# KiCad board pandakbd_panel.kicad_pcb (continued)
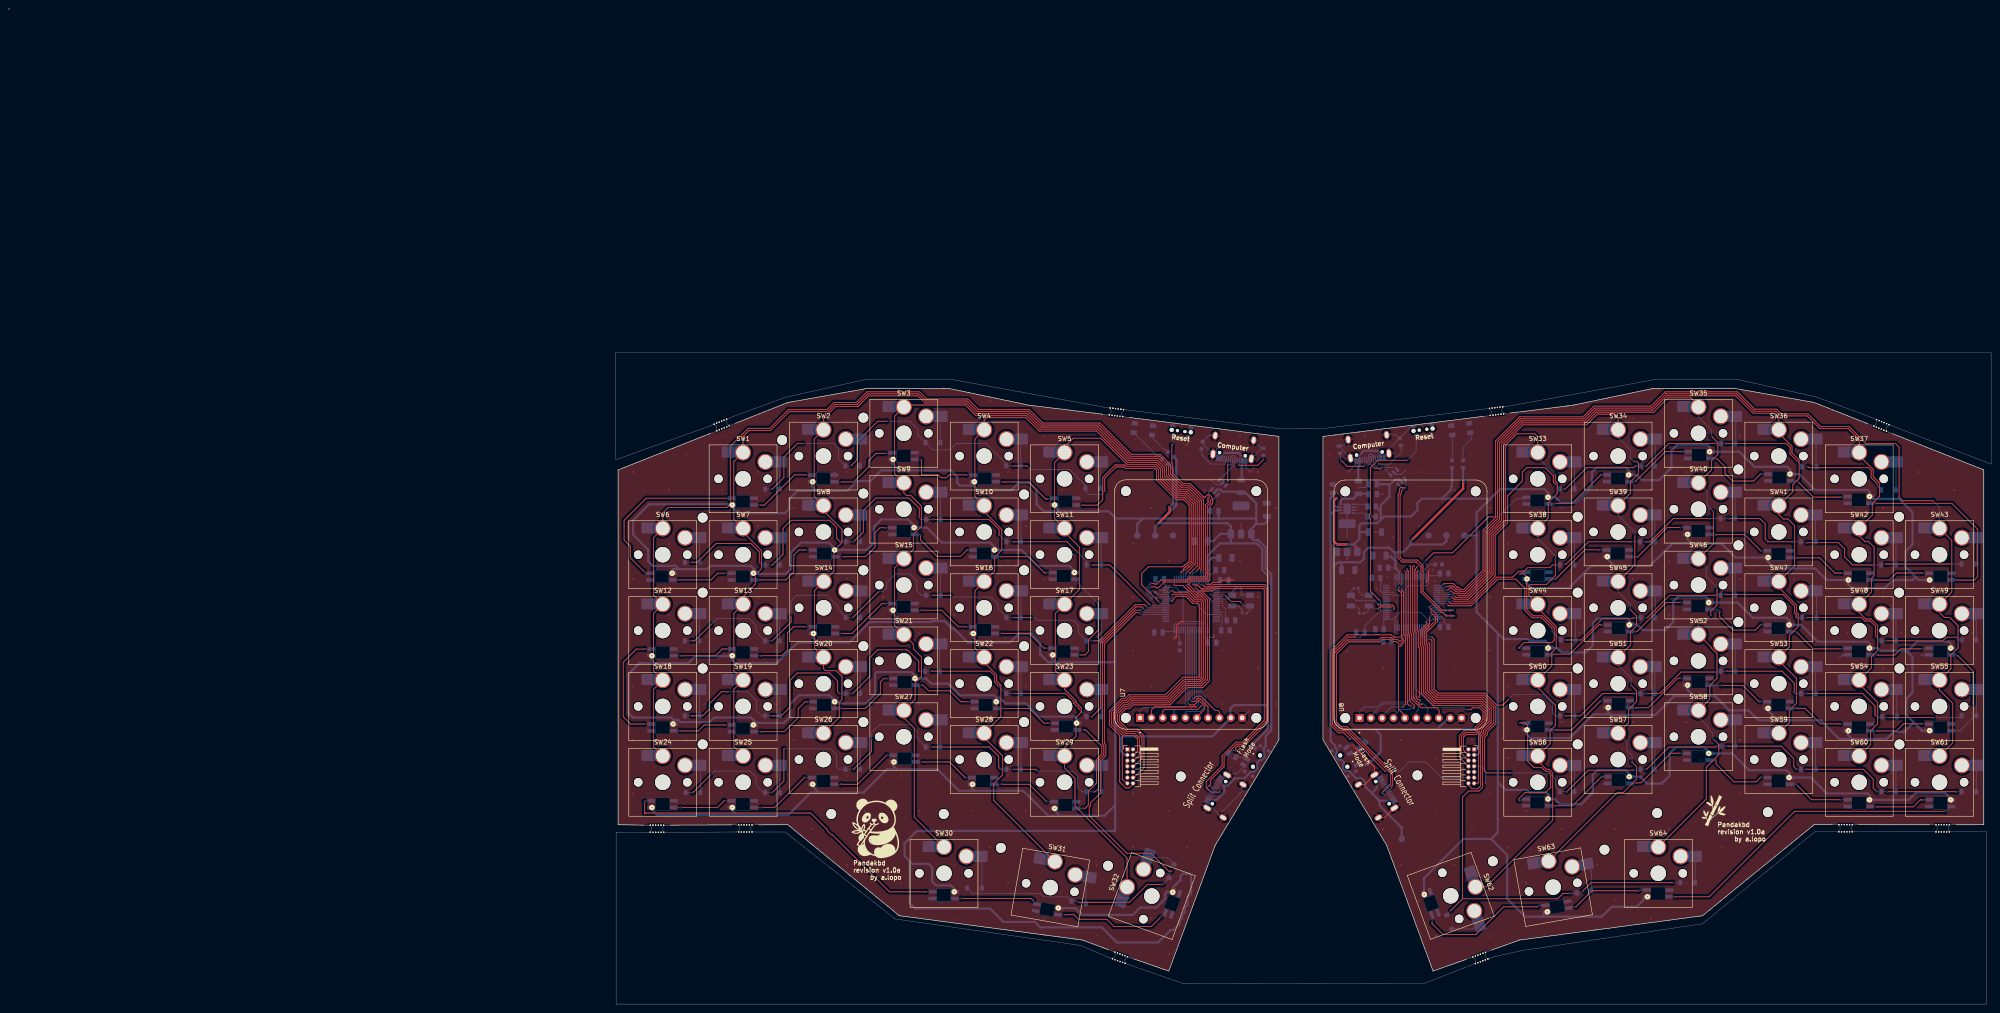
[diagram p0: board, top side]
## Routing (per net, layer and track width the routed paths; a pad name or vN(x,y) marks a point on that pad's centre or on a via; arc(x,y) is an arc through that point) (continued)
/VBUSa: length 9.4
  Bottom w0.2: 135.61,122.61 136.36,123.5 ; 140.36,122.25 140.11,123
  Bottom w0.5: 140.26,120.82 140.26,117.55 D2.2 ; 140.11,123 139.61,123.5 136.36,123.5
/VBUSb: length 10.8
  Bottom w0.3: 166.51,122.39 166.86,123.25
  Bottom w0.4: 166.67,121.49 166.67,120.75 ; 171.38,123.01 170.79,123.99
  Bottom w0.5: 166.63,120.75 166.37,120.49 166.36,120.49 D1.2 ; 170.79,123.99 167.6,123.99 166.86,123.25
GND: length 193.3
  Top w0.2: USBC4.3 172.3,41.78 USBC4.4 ; v1(138.36,95) 135.86,95 135.31,94.45 133.71,94.45 133.32,94.06 v1(132.17,94.06) ; v1(181.5,94.51) 182.11,95.13 v1(182.11,97.25) ; v1(125.11,81.75) 125.61,82.25 125.61,84.75 126.61,85.75 v1(127.66,85.75) ; 133.96,82.25 133.91,82.2 ; USBC4.2 167.84,49.2 USBC4.1 169.99,53.12 v1(165.11,58) ; J2.5 J2.7
  Bottom w0.2: USBC1.4 134.71,122.36 USBC1.A1B12 ; USBC1.4 131.51,125.56 R1.1 132.84,127.4 USBC1.3 ; USBC1.4 133.95,123.25 USBC1.A1B12 ; U3.31 125.67,82.76 125.11,82.2 v1(125.11,81.75) ; U4.12 173.83,91.78 v1(174.11,91.5) ; USBC4.4 174.52,44 USBC4.A1B12 ; U3.12 135.7,87.79 135.71,87.8 v1(135.76,87.8) ; v1(133.36,117.5) 134.42,116.44 135.59,116.44 U5.2 ; v1(176.86,119.5) 176.08,118.72 174.73,118.72 U10.2 ; R8.1 178.23,129.4 U11.4 ; R8.1 174.9,127.56 USBC2.2 ; R8.1 173.22,124.39 USBC2.1 172.33,122.51 USBC2.B1A12 ; U3.47 121.93,92.79 v1(121.88,92.74) 121.86,92.72 121.84,92.72 ; U4.18 175.05,94.68 v1(174.61,94.25) ; v1(181.5,94.51) 181.5,94.64 181.55,94.68 U4.31 ; v1(166.03,110.65) 166.01,110.67 U6.3 164.44,110.67 164.36,110.75 ; 136.78,51.36 136.2,50.78 135.55,50.78 ; USBC1.2 144.69,124.57 R7.1 144.79,124.57 USBC1.1 141.8,121.58 USBC1.B1A12 141.2,120.17 v1(142.11,119.25) 143.11,120.25 ; v1(292.51,78.2) 292.58,78.27 294.21,78.27 ; LED48.3 274.88,78.27 v1(274.11,77.5) ; 137.61,95.5 137.61,95.3 C7.2 v1(138.36,95) ; v1(166.02,111.33) 166.01,111.33 U6.2 164.44,111.33 164.36,111.25 ; v1(127.86,125.25) 128.24,125.62 U9.2 ; v1(194.85,49.51) 194.86,49.52 194.86,52.25 193.82,53.29 J1.7 J1.5 ; 166.48,93.2 166.48,92.43 v1(166.91,92) 167.31,91.6 Y2.4 ; R9.1 162.68,125.06 ; 162.68,125.06 162.68,124.3 USBC2.4 165.24,121.73 USBC2.A1B12 165.84,120.97 v1(164.11,119.25) 164.62,119.76 ; 162.68,125.06 USBC2.3 ; U2.2 v1(163.86,99.75) ; 137.28,51.65 139.15,51.65 140.65,53.15 ; C24.2 167.91,115.75 v1(166.36,115.75) ; U4.63 175.05,85.43 175.1,85.48 v1(175.1,85.56) ; U4.47 185.1,86.78 185.61,86.27 185.61,85.45 C17.1 ; U7.10 141.81,65.6 v1(141.91,65.6) ; USBC1.A1B12 134.57,122.63 134.57,124.21 v1(135.86,125.5) ; USBC4.B1A12 170.57,50.78 USBC4.1 ; v1(165.11,58) 164.21,58 SW66.3 ; v1(170.11,105.75) C3.2 ; 132.25,45.29 132.25,44 132.32,43.93 133.75,43.93 135.9,41.78 135.9,43.19 v1(139.91,47.2) 140.36,47.65 140.36,49.25 ; Y2.2 165.91,89.2 v1(166.31,88.8) 166.55,88.57 166.55,87.6 ; v1(140.11,107.5) U1.2 ; v1(132.17,94.06) U3.63 ; 134.11,82.5 v1(134.11,82.75) 134.11,82.4 133.91,82.2 132.43,82.2 132.17,82.46 U3.18 132.17,85.19 131.61,85.75 v1(127.66,85.75) ; U6.5 163.85,110.01 163.86,110 v1(163.86,109.25) U2.2 v1(163.86,105) ; R5.2 169.36,109.25 v1(169.41,109.25) ; C26.1 v1(171.86,114.25) ; v1(182.11,97.25) 182.11,97.2
  Bottom w0.25: 140.35,87.6 140.35,88.33 v1(140.08,88.6) 139.48,89.2 Y1.4 ; Y1.2 142.08,91.64 140.35,91.64 v1(140.31,91.6) 140.18,91.73 140.18,93.1 140.08,93.2
  Bottom w0.5: 103.37,113.2 103.22,113.35 ; 13.07,79.6 13.02,79.55 ; 67.07,123.6 67.02,123.55 ; 31.19,79.4 31.02,79.57 ; 49.02,119.1 49.02,118.55
  vias: v1(3.91,119.2) v1(3.91,95.2) v1(3.91,71.2) v1(3.91,59.2) v1(3.91,47.2) v1(11.91,115.2) v1(11.91,103.2) v1(11.91,87.2) v1(11.91,75.2) v1(15.91,123.2) v1(15.91,59.2) v1(19.91,79.2) v1(19.91,67.2) v1(23.91,127.2) v1(23.91,115.2) v1(23.91,95.2) v1(23.91,47.2) v1(27.91,75.2) v1(27.91,59.2) v1(31.91,119.2) v1(31.91,107.2) v1(31.91,91.2) v1(35.91,79.2) v1(35.91,67.2) v1(35.91,51.2) v1(39.91,131.2) v1(39.91,111.2) v1(39.91,59.2) v1(43.91,75.2) v1(43.91,39.2) v1(51.91,131.2) v1(51.91,119.2) v1(51.91,95.2) v1(51.91,79.2) v1(51.91,63.2) v1(51.91,51.2) v1(51.91,31.2) v1(55.91,43.2) v1(59.91,103.2) v1(59.91,91.2) v1(59.91,35.2) v1(63.91,51.2) v1(63.91,27.2) v1(67.91,83.2) v1(67.91,67.2) v1(67.91,43.2) v1(71.91,127.2) v1(71.91,111.2) v1(71.91,95.2) v1(71.91,59.2) v1(75.91,87.2) v1(75.91,51.2) v1(75.91,31.2) v1(75.91,19.2) v1(79.91,107.2) v1(79.91,71.2) v1(79.91,43.2) v1(83.91,135.2) v1(83.91,35.2) v1(87.91,119.2) v1(87.91,99.2) v1(87.91,79.2) v1(87.91,63.2) v1(87.91,51.2) v1(87.91,27.2) v1(91.91,107.2) v1(91.91,71.2) v1(91.91,43.2) v1(95.91,127.2) v1(95.91,95.2) v1(95.91,59.2) v1(95.91,19.2) v1(99.91,115.2) v1(99.91,75.2) v1(99.91,47.2) v1(99.91,35.2) v1(103.91,131.2) v1(103.91,107.2) v1(103.91,91.2) v1(107.91,43.2) v1(107.91,31.2) v1(107.91,15.2) v1(111.91,115.2) v1(115.91,103.2) v1(115.91,91.2) v1(115.91,79.2) v1(115.91,47.2) v1(115.91,35.2) v1(116.68,126.57) v1(119.91,111.2) v1(119.91,71.2) v1(119.91,55.2) v1(119.91,19.2) v1(123.91,99.2) v1(123.91,43.2) v1(123.91,11.2) v1(127.91,123.2) v1(127.91,51.2) v1(127.91,35.2) v1(131.91,115.2) v1(135.91,79.2) v1(135.91,67.2) v1(135.91,43.2) v1(139.91,127.2) v1(139.91,99.2) v1(143.91,119.2) v1(143.91,91.2) v1(143.91,75.2) v1(147.91,111.2) v1(147.91,83.2) v1(147.91,67.2) v1(159.91,123.2) v1(163.91,95.2) v1(163.91,79.2) v1(163.91,67.2) v1(167.91,127.2) v1(167.91,103.2) v1(170.61,93) v1(171.91,75.2) v1(171.91,39.2) v1(172.86,95.75) v1(174.11,104.75) v1(175.11,90) v1(175.91,59.2) v1(175.91,47.2) v1(175.91,31.2) v1(179.91,119.2) v1(179.91,107.2) v1(179.91,23.2) v1(183.11,97.25) v1(183.61,94.75) v1(183.91,127.2) v1(183.91,55.2) v1(183.91,43.2) v1(183.91,15.2) v1(187.91,115.2) v1(187.91,103.2) v1(187.91,75.2) v1(187.91,31.2) v1(191.91,123.2) v1(191.91,59.2) v1(191.91,39.2) v1(195.91,111.2) v1(195.91,91.2) v1(195.91,79.2) v1(195.91,47.2) v1(195.91,15.2) v1(199.91,103.2) v1(199.91,71.2) v1(199.91,55.2) v1(199.91,35.2) v1(203.91,83.2) v1(203.91,43.2) v1(203.91,27.2) v1(207.91,127.2) v1(211.91,111.2) v1(211.91,91.2) v1(211.91,75.2) v1(211.91,63.2) v1(211.91,39.2) v1(215.91,83.2) v1(219.91,115.2) v1(219.91,99.2) v1(219.91,47.2) v1(219.91,31.2) v1(223.91,39.2) v1(223.91,23.2) v1(227.91,131.2) v1(227.91,95.2) v1(227.91,79.2) v1(227.91,63.2) v1(231.91,115.2) v1(231.91,71.2) v1(231.91,47.2) v1(231.91,19.2) v1(235.91,99.2) v1(235.91,87.2) v1(235.91,39.2) v1(239.91,131.2) v1(239.91,119.2) v1(239.91,79.2) v1(239.91,63.2) v1(239.91,51.2) v1(239.91,27.2) v1(243.91,43.2) v1(247.91,135.2) v1(247.91,107.2) v1(247.91,35.2) v1(251.91,127.2) v1(251.91,95.2) v1(251.91,59.2) v1(251.91,47.2) v1(255.91,115.2) v1(255.91,39.2) v1(263.91,95.2) v1(263.91,79.2) v1(263.91,47.2) v1(267.91,123.2) v1(267.91,107.2) v1(267.91,71.2) v1(267.91,55.2) v1(271.91,91.2) v1(275.91,127.2) v1(275.91,103.2) v1(275.91,83.2) v1(275.91,67.2) v1(275.91,51.2) v1(283.91,111.2) v1(283.91,91.2) v1(283.91,75.2) v1(287.91,83.2) v1(287.91,67.2) v1(287.91,51.2) v1(291.91,119.2) v1(291.91,103.2) v1(291.91,59.2) v1(295.91,75.2) v1(299.91,115.2) v1(299.91,91.2) v1(299.91,51.2) v1(303.91,83.2) v1(303.91,59.2) v1(303.91,43.2)
VBUS MASTER HALF: length 94.7
  Bottom w0.2: 171.11,49.75 170.36,48.67 ; 173.61,45.75 172.83,45.56
  Bottom w0.4: 162.41,110.66 161.61,110.59
  Bottom w0.5: 160.16,110 160.11,110.05 160.11,113.25 160.18,113.31 160.18,113.34 160.61,113.78 C27.2 ; 160.16,110 160.66,110 161.26,110.59 161.61,110.59 ; 160.16,110 160.16,58.95 161.17,57.95 161.17,57.52 161.61,57.07 161.61,56.36 161.38,56.12 161.38,55.34 161.93,54.78 162.59,54.78 163.11,54.25 163.11,53.73 162.97,53.58 162.97,52.79 163.52,52.23 164.26,52.23 165.96,50.54 167.15,50.54 167.91,49.77 167.91,48.75 169.39,47.28 ; 169.39,47.28 170.53,48.41 170.53,48.73 ; 169.39,47.28 170.89,45.78 ; 170.89,45.78 171.11,45.56 172.7,45.56 ; 170.89,45.78 171.15,45.51 171.15,44.46 176.11,39.5 MASTER VBUS.1
VBUS USB: length 7.5
  Bottom w0.5: 168.56,114.35 D1.1 165.26,113.25 162.86,113.25 162.46,112.85 162.46,112.02
(no net):
  vias: v1(-135.89,223)
/STM MCUs/BOOT0a: length 59.5
  Top w0.2: v1(131.43,94) 131.95,93.48 132.81,93.48 132.81,93.47 133.37,93.47 133.9,94 145.51,94 146.22,93.3 146.22,63.23 140.79,57.8 139.31,57.8 138.91,57.4 v1(138.91,56.8)
  Bottom w0.2: v1(131.43,94) 130.99,94 130.74,94.24 130.74,94.25 130.67,94.32 U3.60 ; v1(138.91,56.8) 137.92,56.8 R3.1
/STM MCUs/BOOT0b: length 46
  Top w0.2: v1(164.51,59.4) 163.11,60.8 161.91,60.8 160.11,62.6 160.11,79 163.86,82.75 170.33,82.75 170.39,82.8 170.84,82.8 170.89,82.75 173.76,82.75 174.31,82.2 v1(175.61,82.2)
  Bottom w0.2: R4.1 167.11,59.54 164.65,59.54 v1(164.51,59.4) ; U4.60 176.55,82.83 175.91,82.2 v1(175.61,82.2)
/STM MCUs/OSC INa: length 10.6
  Top w0.2: v1(136.75,91.42) 136.75,91.35 136.84,91.26 136.85,91.26 137.91,90.2 139.91,90.2 v1(140.11,90)
  Bottom w0.2: Y1.3 140.91,89.2 v1(140.11,90) ; U3.5 135.63,91.29 135.98,91.64 136.52,91.64 v1(136.75,91.42)
  Bottom w0.25: Y1.3 142.11,88.23 141.48,87.6
/STM MCUs/OSC OUTa: length 5.8
  Bottom w0.2: U3.6 137.3,90.79 Y1.1
  Bottom w0.25: 138.95,93.2 138.11,92.37 Y1.1
/STM MCUs/SW_BOOT0a: length 2.7
  Bottom w0.2: R3.2 141.05,55.29 SW69.2
/STM MCUs/SW_BOOT0b: length 3
  Bottom w0.2: SW66.2 166.03,56.17 166.78,56.92 R4.2
COL0a: length 228.6
  Top w0.2: SW24.1 8.5,57.68 8.5,70.52 SW18.1 8.5,74.68 8.5,87.52 SW12.1 8.5,91.68 8.5,104.52 SW6.1 10.57,110.06 11.79,111.27 24.99,111.27 25.71,112 25.71,125 29.71,129 34.51,129 38.71,133.2 47.31,133.2 48.91,134.8 53.91,134.8 56.31,137.2 68.11,137.2 69.71,135.6 78.91,135.6 81.31,133.2 92.7,133.2 95.7,130.2 108.51,130.2 115.51,123.2 121.99,123.2 124.31,120.88 124.31,118.76 126.93,116.15 128.56,116.15 131.67,113.04 v1(131.67,96.84)
  Bottom w0.2: v1(131.67,96.84) U3.62
COL0b: length 228.9
  Top w0.2: SW61.1 299.51,58.54 299.51,67.4 296.57,70.34 SW55.1 299.11,75.14 299.11,78.2 300.71,79.8 300.71,84.8 298.9,86.61 297.7,86.61 296.57,87.74 SW49.1 299.31,92.34 299.31,103.86 SW43.1 ; v1(295.11,112.8) 288.31,112.8 287.51,113.6 287.51,124.8 286.71,125.6 280.11,125.6 276.31,129.4 269.95,129.4 267.1,132.25 261.14,132.25 260.09,133.3 255.21,133.3 251.31,137.2 235.13,137.2 234.53,136.6 234.51,136.6 231.91,134 219.11,134 216.71,131.6 202.51,131.6 197.11,126.2 197.11,109 194.31,106.2 194.31,97.2 189.97,92.86 189.41,92.86 188.84,93.42 188.47,93.42 187.64,94.25 185.61,94.25 v1(185.49,94.12)
  Bottom w0.2: v1(185.49,94.12) 185.16,93.8 184.71,93.8 184.7,93.78 U4.33 ; SW43.1 296.57,111.34 v1(295.11,112.8)
COL1a: length 215.7
  Top w0.2: v1(131.12,97.31) 131.2,97.38 131.2,112.88 128.38,115.7 126.74,115.7 123.86,118.58 123.86,120.69 121.8,122.75 115.33,122.75 108.33,129.75 95.51,129.75 92.51,132.75 81.13,132.75 78.73,135.15 69.51,135.15 67.91,136.75 56.5,136.75 54.1,134.35 49.1,134.35 47.5,132.75 38.9,132.75 34.7,128.55 29.9,128.55 28.56,127.21 SW1.1 26.48,121.52 26.48,108.69 SW7.1 28.57,105.74 32.71,101.6 32.71,97.6 31.31,96.2 31.31,94.11 28.57,91.36 SW13.1 26.5,87.52 26.5,74.68 SW19.1 26.5,70.52 26.5,57.68 SW25.1
  Bottom w0.2: U3.61 131.17,96.57 131.03,96.72 131.03,97.22 v1(131.12,97.31)
COL1b: length 218.7
  Top w0.2: SW60.1 281.11,58.14 281.11,61.2 282.71,62.8 282.71,67.6 278.57,71.74 SW54.1 281.31,75.34 281.31,77.8 282.71,79.2 282.71,84.8 281.22,86.29 280.02,86.29 278.57,87.74 SW48.1 281.31,92.34 281.31,95.4 281.91,96 281.91,102.4 280.7,103.61 279.9,103.61 278.57,104.94 SW42.1 281.51,109.54 281.51,112.2 283.11,113.8 283.11,116.82 281.71,118.22 281.71,119.8 278.57,122.94 SW37.1 278.57,126.5 276.13,128.95 269.76,128.95 266.91,131.8 260.95,131.8 259.9,132.85 255.03,132.85 251.13,136.75 235.31,136.75 232.11,133.55 219.3,133.55 216.9,131.15 202.7,131.15 197.56,126.01 197.56,108.8 194.76,106 194.76,97.01 190.16,92.41 189.22,92.41 188.66,92.97 188.28,92.97 187.55,93.7 186.74,93.7 186.61,93.57 186.29,93.57 186.29,93.57 v1(185.94,93.57)
  Bottom w0.2: U4.34 185.65,93.28 v1(185.94,93.57)
COL2a: length 197.8
  Top w0.2: SW26.1 50.11,64.24 50.11,67.6 50.71,68.2 50.71,73.45 50.68,73.45 49.42,74.71 47,74.71 46.57,75.14 SW20.1 44.55,79.73 44.55,92.62 SW14.1 48.91,96.99 48.91,101.6 50.71,103.4 50.71,106.4 46.57,110.54 SW8.1 44.5,113.78 44.5,126.62 SW2.1 46.57,131.18 49.29,133.9 54.29,133.9 56.69,136.3 67.73,136.3 68.31,135.71 68.31,135.7 69.31,134.7 78.54,134.7 80.94,132.3 92.33,132.3 95.33,129.3 108.14,129.3 115.14,122.3 121.62,122.3 123.41,120.5 123.41,118.39 126.55,115.25 128.19,115.25 130.75,112.69 130.75,97.71 v1(130.16,97.12)
  Bottom w0.2: U3.57 129.17,96.46 129.41,96.69 129.73,96.69 v1(130.16,97.12)
COL2b: length 198
  Top w0.2: v1(186.36,92.83) 186.51,92.83 186.93,93.25 187.36,93.25 188.09,92.52 188.47,92.52 189.04,91.96 190.35,91.96 195.22,96.83 195.22,105.81 198.02,108.61 198.02,125.83 202.89,130.7 217.09,130.7 219.49,133.1 232.3,133.1 235.5,136.3 250.94,136.3 254.84,132.4 259.71,132.4 260.57,131.54 SW36.1 260.57,127.94 263.51,125 263.51,123.52 265.11,121.92 265.11,117.8 263.71,116.4 263.71,114.84 SW41.1 260.57,109.74 261.6,108.71 262.6,108.71 264.11,107.2 264.11,98.24 SW47.1 260.57,93.34 264.51,89.4 264.51,87.8 264.91,87.4 264.91,84.6 262.91,82.6 262.91,80.04 SW53.1 260.57,76.94 264.51,73 264.51,67.4 262.91,65.8 262.91,63.04 SW59.1
  Bottom w0.2: v1(186.36,92.83) 186.31,92.78 U4.35
COL3a: length 207.1
  Top w0.2: SW30.1 66.91,41.86 66.91,61.8 64.57,64.14 SW27.1 67.11,68.34 67.11,72 68.51,73.4 68.51,77.8 66.71,79.6 66.71,80.66 SW21.1 62.5,84.88 62.5,97.72 SW15.1 66.71,101.94 66.71,105.26 68.51,107.06 68.51,111.6 66.11,114 65.11,114 64.57,114.54 SW9.1 62.5,118.88 62.5,131.72 SW3.1 65.02,134.25 78.35,134.25 80.75,131.85 92.11,131.85 95.11,128.85 107.95,128.85 114.95,121.85 121.42,121.85 122.96,120.3 122.96,118.2 126.37,114.8 128,114.8 130.29,112.51 130.29,98.18 128.75,96.64 v1(128.65,96.64)
  Bottom w0.2: v1(128.65,96.64) 128.66,96.64 128.67,96.63 U3.56
COL3b: length 214.1
  Top w0.2: SW35.1 242.57,134.14 240.87,135.85 235.76,135.85 232.56,132.65 219.67,132.65 217.27,130.25 203.07,130.25 198.47,125.64 198.47,108.43 195.67,105.63 195.67,96.64 190.53,91.5 188.85,91.5 188.28,92.07 187.68,92.07 v1(187.11,92.64) ; v1(246.71,92.8) 246.71,89.4 245.31,88 v1(245.31,87.2) ; SW64.1 244.31,45.94 244.31,53.07 247.11,55.87 247.11,58.2 v1(246.11,59.2) ; SW52.1 245.42,79.95 245.42,79.81 246.71,78.52 246.71,73 245.11,71.4 245.11,68.34 SW58.1 ; v1(245.91,110.4) 245.91,103.14 SW46.1 ; SW40.1 245.51,119.74 245.51,121.8 246.91,123.2 246.91,125.8 v1(245.51,127.2)
  Bottom w0.2: SW58.1 242.57,64.34 244.71,62.2 244.71,61.8 245.71,60.8 245.71,59.6 v1(246.11,59.2) ; SW40.1 244.51,114.86 244.51,111.8 v1(245.91,110.4) ; SW46.1 244.31,98.06 244.31,95.8 246.71,93.4 v1(246.71,92.8) ; SW52.1 242.57,85.54 242.57,85.55 242.57,85.75 243.22,86.4 244.51,86.4 v1(245.31,87.2) ; U4.36 186.75,92.28 v1(187.11,92.64) ; SW35.1 242.57,131.56 245.51,128.62 v1(245.51,127.2)
COL4a: length 191.6
  Top w0.2: v1(127.84,96.53) 127.84,96.61 129.84,98.62 129.84,112.32 127.82,114.34 126.18,114.34 122.51,118.01 122.51,120.12 121.23,121.4 114.77,121.4 107.77,128.4 94.92,128.4 91.92,131.4 83.11,131.4 82.57,130.86 SW4.1 80.5,126.62 80.5,113.78 SW10.1 82.57,110.34 86.51,106.4 86.51,101.75 84.91,100.15 84.91,97.04 SW16.1 80.5,92.62 80.5,79.78 SW22.1 82.57,76.58 85.36,73.79 85.36,72.35 85.97,71.74 85.98,71.74 86.25,71.46 86.25,71.46 86.31,71.4 86.31,64.44 SW28.1 82.57,59.74 86.71,55.6 86.71,51.4 84.71,49.4 84.71,45.62 SW31.1
  Bottom w0.2: U3.54 127.67,96.36 v1(127.84,96.53)
COL4b: length 197.2
  Top w0.2: SW34.1 224.57,131.34 223.72,132.2 219.91,132.2 217.51,129.8 203.26,129.8 198.92,125.46 198.92,108.24 196.12,105.44 196.12,96.45 190.72,91.05 188.34,91.05 188.14,91.25 188.06,91.25 v1(187.96,91.35) ; v1(228.31,104.8) 228.31,98.44 SW45.1 ; v1(227.71,54.2) 228.71,53.2 228.71,50.4 225.71,47.4 224.39,47.4 SW63.1 ; v1(227.51,71.4) 228.71,70.2 228.71,67.8 226.91,66 226.91,63.04 SW57.1 ; SW39.1 227.31,114.44 227.31,117 229.11,118.8 229.11,121.2 228.71,121.6 v1(228.11,121.6) ; v1(227.31,88.4) 228.71,87 228.71,84.8 227.31,83.4 227.31,80.44 SW51.1
  Bottom w0.2: v1(227.51,71.4) 227.51,73 224.57,75.94 SW51.1 ; SW57.1 226.51,58.76 226.51,56.8 227.71,55.6 v1(227.71,54.2) ; v1(187.96,91.35) 187.53,91.78 184.5,91.78 ; v1(228.31,104.8) 228.31,105.8 224.57,109.54 SW39.1 ; v1(228.11,121.6) 227.31,122.4 227.31,124.2 224.57,126.94 SW34.1 ; v1(227.31,88.4) 227.31,89.6 224.57,92.34 SW45.1
COL5a: length 169
  Top w0.2: SW32.1 114.58,32.74 102.91,44.4 102.91,50.6 100.57,52.94 SW29.1 100.57,57.46 103.11,60 103.11,64.2 104.31,65.4 104.31,66.4 103.11,67.6 103.11,68 100.57,70.54 SW23.1 98.5,74.68 98.5,87.52 SW17.1 103.91,92.94 103.91,102.4 100.57,105.74 SW11.1 98.31,108.86 98.31,121.34 SW5.1 100.57,124.86 102.51,126.8 108.72,126.8 114.58,120.94 121.04,120.94 122.06,119.93 122.06,117.83 125.99,113.89 127.63,113.89 129.39,112.13 129.39,98.8 128.59,98 128.45,98 v1(127.85,97.4)
  Bottom w0.2: v1(127.85,97.4) 127.57,97.13 127.19,97.13 127.17,97.1 U3.53
COL5b: length 182.5
  Top w0.2: v1(210.51,118.6) 210.51,117.2 210.91,116.8 210.91,114.4 208.91,112.4 208.91,108.94 SW38.1 ; SW33.1 206.57,127.14 205.91,127.8 201.9,127.8 199.37,125.27 199.37,108.06 196.57,105.25 196.57,96.27 190.91,90.6 188.15,90.6 187.95,90.8 187.71,90.8 v1(187.28,91.23) ; v1(210.51,99.6) 210.51,96 208.51,94 204.91,94 204.56,93.65 204.56,91.61 SW44.1 206.57,88.74 210.71,84.6 210.71,79.8 209.71,78.8 209.71,75.74 SW50.1 206.57,70.94 210.51,67 210.51,62.4 209.31,61.2 209.31,58.34 SW56.1 206.57,54.54 208.5,52.61 209.1,52.61 209.91,51.8 209.91,44.72 209.84,44.65 209.84,44.25 209.91,44.18 209.91,41.2 194.99,26.28 SW62.1
  Bottom w0.2: SW33.1 206.57,122.54 v1(210.51,118.6) ; v1(187.28,91.23) 187.23,91.28 185.31,91.28 U4.38 ; v1(210.51,99.6) 210.51,100.4 206.57,104.34 SW38.1
CSa: length 23.7
  Bottom w0.2: U7.5 127.65,65.29 127.91,65.55 130.91,65.55 132.11,66.75 132.11,68.75 131.17,69.69 U3.20
CSb: length 33.4
  Top w0.2: v1(175.41,93.32) 175.41,92.7 176.07,92.04 176.07,82.71 175.98,82.62 176.16,82.43 176.16,81.97 176.09,81.9 176.11,81.9 176.43,81.57 176.43,81.12 176.16,80.85 176.16,80.52 175.84,80.2 175.39,80.2 175.36,80.22 175.36,66.09 176.85,64.6
  Bottom w0.2: 176.07,94.74 176.05,94.74 ; 176.05,94.74 176.07,94.72 176.07,93.98 v1(175.41,93.32) ; 176.05,94.74 U4.20
DataCommanda: length 23.4
  Top w0.2: U7.7 132.71,64.15 132.71,66.65 130.91,68.45 130.43,68.45 129.78,67.8 v1(129.11,67.8)
  Bottom w0.2: v1(129.11,67.8) 128.67,68.24 U3.25
DataCommandb: length 38.5
  Top w0.2: v1(178.86,98.25) 178.55,97.93 178.55,83.43 178.77,83.21 178.77,68.59 178.91,68.45 178.91,68.38 179.5,67.8 179.57,67.8 180.19,67.17 180.54,67.17 v1(180.61,67.25)
  Bottom w0.2: v1(178.86,98.25) 178.55,97.93 U4.25 ; 181.93,64.6 181.93,66.38 181.06,67.25 v1(180.61,67.25)
LCDReseta: length 24.5
  Top w0.2: U7.8 135.31,64.18 135.31,65.4 134.91,65.8 134.31,65.8 131.11,69 130.1,69 v1(129.46,68.36)
  Bottom w0.2: U3.24 129.17,68.65 v1(129.46,68.36)
LCDResetb: length 41.1
  Top w0.2: 184.47,64.6 184.47,65.84 183.91,66.4 180.46,66.4 180.14,66.72 180,66.72 179.38,67.35 179.31,67.35 178.46,68.2 178.46,68.27 178.32,68.41 178.32,83.02 178.05,83.29 178.05,98.07 v1(177.86,98.25)
  Bottom w0.2: U4.24 178.05,96.81 178.05,96.81 178.05,98.07 v1(177.86,98.25)
LEDsa: length 55.3
  Top w0.2: v1(126.62,96.79) 126.61,96.8 126.73,96.8 127.3,97.37 127.3,97.63 127.62,97.95 127.77,97.95 128.26,98.45 128.38,98.45 128.93,99 128.94,99 128.94,111.95 127.44,113.44 125.81,113.44 121.61,117.64 121.61,119.74 120.86,120.49 114.39,120.49 114.09,120.8 111.91,120.8 109.11,118 109.11,115.2 109.11,114.4 109.11,113 107.91,111.8 v1(104.71,111.8)
  Bottom w0.2: v1(104.71,111.8) 103.27,111.8 103.22,111.85 ; v1(126.62,96.79) 126.67,96.74 U3.52
LEDsb: length 32.3
  Top w0.2: v1(196.55,109.21) 196.54,109.2 195.56,109.2 187.49,101.12 183.24,101.12 v1(181.61,99.5)
  Bottom w0.2: 204.01,113.57 203.64,113.2 201.71,113.2 197.71,109.2 196.56,109.2 v1(196.55,109.21) ; 180.05,96.13 180.05,96.59 180.42,96.96 180.42,98.3 v1(181.61,99.5)
MISOa: length 29.8
  Top w0.2: v1(130,66.55) 129.95,66.6 120.71,66.6 120.03,65.92 U7.2
  Bottom w0.2: U3.22 130.17,69.19 130.58,68.78 130.58,67.13 v1(130,66.55)
MISOb: length 42.5
  Top w0.2: v1(178.2,66.88) 177.83,66.88 177.42,67.3 177.42,82.65 177.05,83.01 177.05,96.82 v1(176.86,97)
  Bottom w0.2: 169.23,64.6 171.88,67.25 177.46,67.25 177.83,66.88 v1(178.2,66.88) ; U4.22 177.05,96.82 v1(176.86,97)
MOSIa: length 23.9
  Bottom w0.2: U7.4 125.11,65.77 125.34,66 128.61,66 129.34,66.72 129.39,66.72 129.67,67 129.67,67.06 130.11,67.5 130.11,68.5 129.67,68.94 U3.23
MOSIb: length 38.9
  Top w0.2: v1(177.36,97.5) 177.36,97.24 177.55,97.06 177.55,83.15 177.87,82.83 177.87,68 178.86,67 178.86,66.38 v1(178.82,66.34)
  Bottom w0.2: U4.23 177.55,97.06 177.36,97.24 v1(177.36,97.5) ; v1(178.82,66.34) 178.25,66.34 177.91,66 175.71,66 174.31,64.6
OSC INb: length 15.9
  Top w0.2: v1(170.76,89.65) 170.96,89.45 174.07,89.45 174.43,89.09 v1(174.43,88.5)
  Bottom w0.2: 165.35,93.2 164.71,92.57 Y2.3 165.91,90.4 170.01,90.4 v1(170.76,89.65) ; 173.4,88.28 U4.5 173.58,88.28 173.61,88.25 174.18,88.25 v1(174.43,88.5)
OSC OUTb: length 9.3
  Top w0.2: v1(173.87,88.86) 173.74,89 171.21,89 v1(170.71,88.5)
  Bottom w0.2: 167.68,87.6 168.11,87.6 168.71,88.2 Y2.1 169.41,89.2 170.11,88.5 v1(170.71,88.5) ; v1(173.87,88.86) 173.58,88.86 173.5,88.78 U4.6
RESETa: length 118.7
  Top w0.2: 115.91,50.55 118.36,53 118.36,60.15 116.91,61.6 114.71,61.6 112.87,63.45 112.87,64.75 114.31,66.2 115.11,66.2 115.96,67.05 124.22,67.05 128.11,70.95 131.56,70.95 133.04,72.43 133.04,90.69 v1(133.15,90.79) 133.06,90.88 133,90.88 131.77,92.12 130.25,92.12 128.42,93.95 128.42,94.02 128.36,94.08 129.08,94.8 132.85,94.8 133.11,95.06 133.11,96.23 133.12,96.24 133.12,97.44 133.11,97.45 133.11,111.56 133.68,112.12 133.68,112.32 133.78,112.42 133.78,113.23 133.46,113.55 133.46,113.76 133.06,114.15 132.61,114.15 132.06,113.6 131.96,113.6 131.75,113.6 128.75,116.6 127.11,116.6 124.79,118.92 124.79,121.04 124.61,121.21 v1(124.61,125.25)
  Bottom w0.2: U9.1 124.86,125.5 v1(124.61,125.25) ; v1(133.15,90.79) 133.15,90.76 133.63,90.29 U3.7 135.83,90.29 135.91,90.2 135.91,89.3 136.66,88.55 136.66,85.71
RESETb: length 118.3
  Top w0.2: v1(177.36,121.85) 170.71,121.85 169.11,120.25 169.11,109.73 168.86,109.48 168.86,109.02 169.11,108.77 169.11,92.5 v1(171.11,90.5) ; v1(165.61,82.2) 165.56,82.25 164,82.25 160.56,78.81 160.56,62.79 162.1,61.25 163.46,61.25 168.61,56.1 168.61,55.96 v1(172.34,52.23)
  Bottom w0.2: v1(177.36,121.85) 179.35,123.83 U11.1 ; U4.7 171.6,89.28 ; 171.6,89.28 171.36,89.52 171.36,90.25 v1(171.11,90.5) ; 171.6,89.28 171.36,89.05 171.36,88.25 167.81,84.7 C22.2 166.74,82.17 165.61,82.17 ; v1(172.34,52.23) 175.72,52.23 177.74,54.25 181.45,54.25 184.95,50.75 191.04,50.75 J1.12
ROW0a: length 164.6
  Top w0.2: v1(121.61,90.25) 120.04,91.82 119.97,91.82 117.86,93.92 117.86,96.5 119.36,98 127.03,98 127.44,98.41 127.58,98.41 128.08,98.9 128.2,98.9 128.49,99.2 128.49,111.76 127.26,112.99 125.62,112.99 121.16,117.45 121.16,119.56 120.67,120.04 114.21,120.04 113.9,120.35 112.1,120.35 109.56,117.81 109.56,115.02 v1(109.59,115) ; v1(52.91,120.8) 54.11,122 54.11,126 58.71,130.6 v1(60.71,130.6) ; v1(35.11,115.4) 37.71,118 37.71,122.6 40.71,125.6 v1(41.91,125.6) ; v1(92.11,120.6) v1(89.11,120.6)
  Bottom w0.2: v1(52.91,120.8) 52.71,120.6 D7.1 49.91,122.14 49.91,124.6 48.91,125.6 v1(41.91,125.6) ; U3.41 122.07,89.79 v1(121.61,90.25) ; v1(109.59,115) 108.79,114.2 106.08,114.2 105.25,115.03 D10.1 105.25,116.2 101.65,119.8 92.91,119.8 v1(92.11,120.6) ; v1(89.11,120.6) D9.1 87.45,121.2 83.05,125.6 76.31,125.6 74.91,124.2 71.05,124.2 D8.1 67.71,127.54 67.71,128.8 65.91,130.6 v1(60.71,130.6) ; D6.1 v1(35.11,115.4)
ROW0b: length 136.1
  Top w0.2: v1(230.91,120.6) 235.91,125.6 v1(246.44,125.6) ; v1(267.11,120.4) 267.31,120.2 280.68,120.2 281.26,119.61 281.26,117.98 v1(282.64,116.6) ; v1(212.71,115.4) 217.51,120.2 228.11,120.2 v1(228.51,120.6) ; v1(248.71,125.6) 262.26,125.6 263.06,124.8 263.06,123.3 v1(264.64,121.72) ; v1(210.44,116.6) 210.06,116.98 210.06,118.41 208.28,120.2 204.11,120.2 203.11,119.2 203.11,117.2 199.82,113.91 199.82,107.87 197.03,105.08 197.03,95.92 191.27,90.15 187.82,90.15 v1(187.72,90.25)
  Bottom w0.2: v1(228.51,120.6) D39.1 v1(230.91,120.6) ; U4.39 186.84,90.78 187.37,90.25 v1(187.72,90.25) ; v1(264.64,121.72) 265.7,120.66 D41.1 v1(267.11,120.4) ; D42.1 282.64,116.06 v1(282.64,116.6) ; v1(246.44,125.6) D40.1 v1(248.71,125.6) ; v1(210.44,116.6) 211.5,115.54 D38.1 v1(212.71,115.4)
ROW1a: length 143.1
  Top w0.2: v1(89.11,103.6) 101.11,103.6 v1(103.31,101.4) ; v1(17.11,99) 18.31,99 22.51,103.2 30.31,103.2 32.21,101.3 v1(32.21,98.9) ; v1(50.24,103.64) 49.51,104.36 49.51,106.8 47.91,108.4 39.31,108.4 37.51,106.6 37.51,100.8 v1(35.11,98.4) ; v1(106.91,98.4) 110.71,98.4 v1(119.49,89.62) ; v1(53.31,103.6) 55.51,105.8 55.51,110.6 58.31,113.4 65.71,113.4 68.04,111.08 v1(68.04,109) ; v1(85.91,105.19) 85.91,105.2 85.91,106.36 83.68,108.6 v1(71.11,108.6)
  Bottom w0.2: v1(106.91,98.4) D16.1 105.5,99.21 v1(103.31,101.4) ; v1(50.24,103.64) 50.28,103.64 50.31,103.6 D13.1 v1(53.31,103.6) ; v1(71.11,108.6) D14.1 68.44,108.6 v1(68.04,109) ; v1(32.21,98.9) 32.71,98.4 D12.1 v1(35.11,98.4) ; U3.40 121.83,89.29 121.81,89.28 119.84,89.28 v1(119.49,89.62) ; D11.1 v1(17.11,99) ; v1(89.11,103.6) D15.1 v1(85.91,105.19)
ROW1b: length 133.1
  Top w0.2: v1(230.71,103.6) 231.71,103.6 236.91,108.8 v1(245.11,108.8) ; v1(281.44,98.4) 277.11,98.4 275.31,100.2 275.31,102 273.91,103.4 v1(266.91,103.4) ; v1(263.51,103.6) 258.11,103.6 257.51,104.2 257.51,107.6 256.31,108.8 v1(249.31,108.8) ; v1(186.66,90.08) 186.79,90.08 187.16,89.7 191.45,89.7 197.4,95.65 200.96,95.65 202.31,97 203.51,97 204.31,97.8 209.31,97.8 v1(209.91,98.4) ; v1(212.91,98.6) 217.91,103.6 v1(227.51,103.6) ; v1(298.84,98.6) v1(284.51,98.6)